# Altium PCB STM32_PLC.PcbDoc (part 2 of 3) (continued)
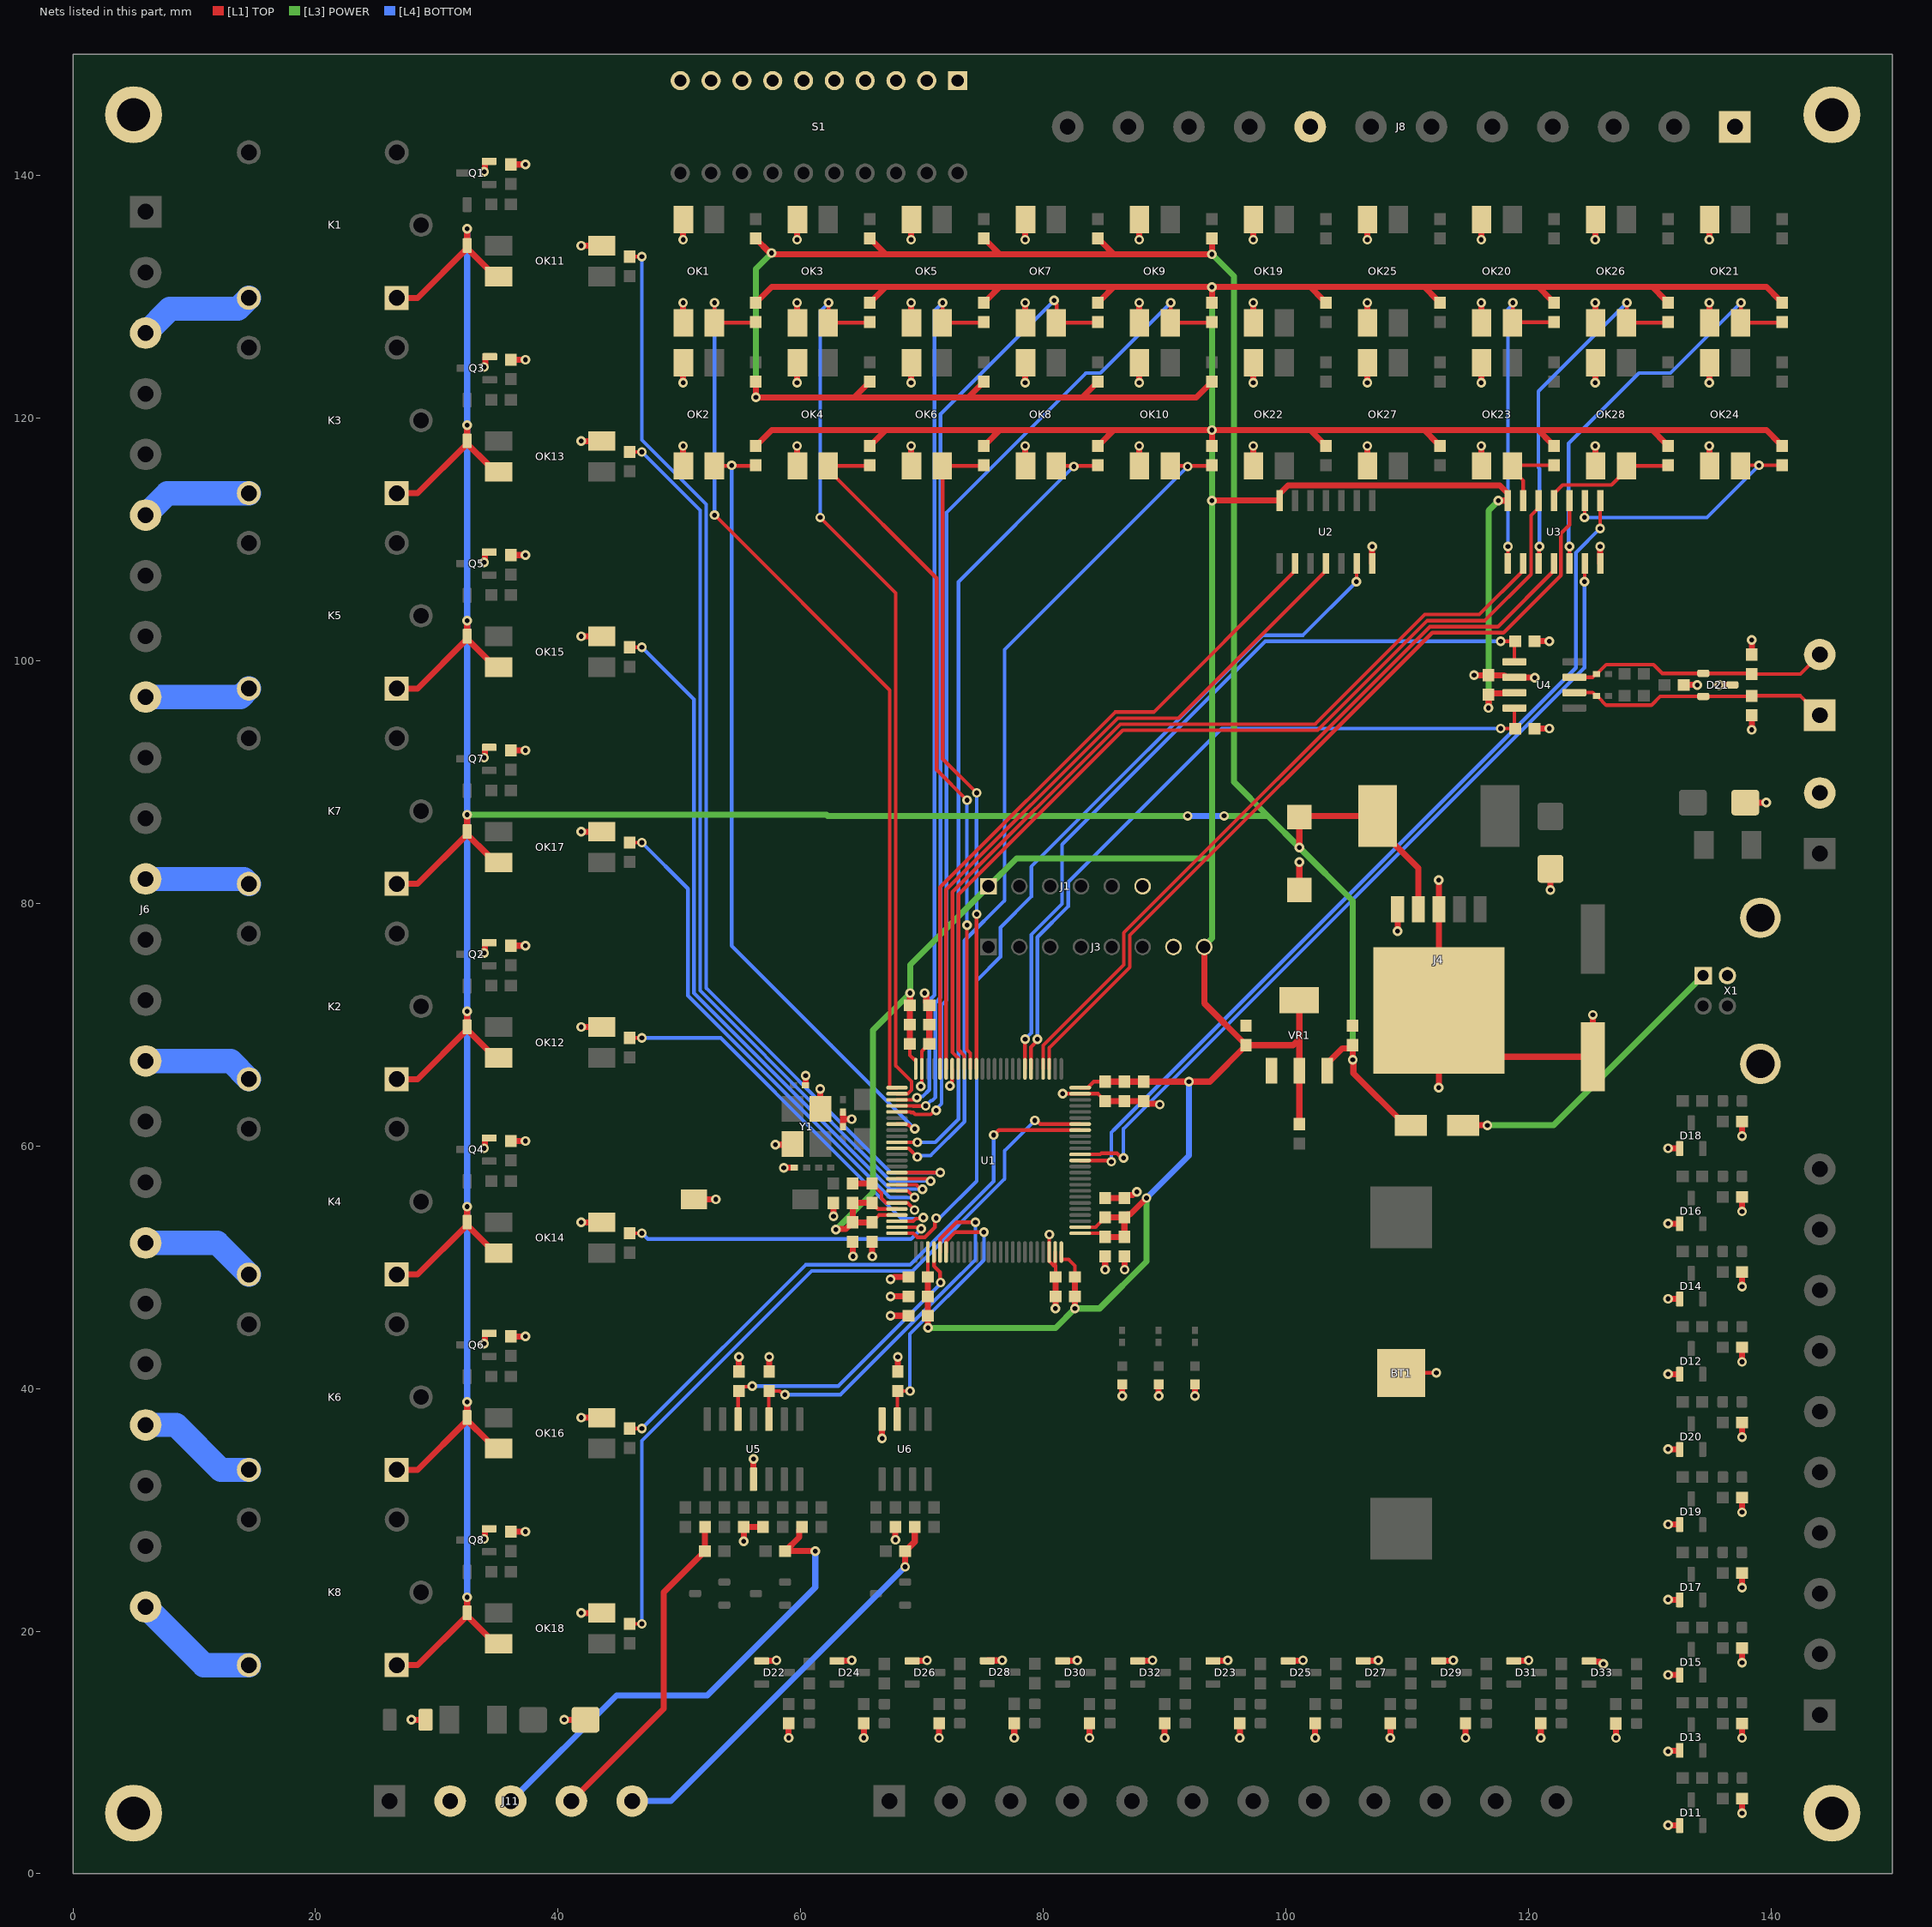
[diagram p4: the nets of this part, all layers, seen from the top]
## Part data (continued)
U2 U3: "Inverter IC 6 Channel Schmitt Trigger 14-SOIC", Package="SO14-14 Nexperia USA Inc.", Check_prices=https://www.snapeda.com/parts/74HC14D/Toshiba/view-part/?ref=eda, MF=Toshiba, MP=74HC14D, SnapEDA_Link=https://www.snapeda.com/parts/74HC14D/Toshiba/view-part/?ref=snap
U4: library part TCAN332DR, "3.3-V CAN Transceivers", Package="SOIC-8 Texas Instruments", Check_prices=https://www.snapeda.com/parts/TCAN332DR/Texas+Instruments/view-part/?ref=eda, MF="Texas Instruments", MP=TCAN332DR, SnapEDA_Link=https://www.snapeda.com/parts/TCAN332DR/Texas+Instruments/view-part/?ref=snap
VR1: "800-mA 15-V linear voltage regulator", Package="SOT-223-4 Texas Instruments", Check_prices=https://www.snapeda.com/parts/LM1117IMP-3.3/NOPB/Texas+Instruments/view-part/?ref=eda, MF="Texas Instruments", MP=LM1117IMP-3.3/NOPB, SnapEDA_Link=https://www.snapeda.com/parts/LM1117IMP-3.3/NOPB/Texas+Instruments/view-part/?ref=snap
X1: "USB-B (USB TYPE-B) - Receptacle Connector 4 Position Through Hole, Right Angle", Package=None, Availability="In Stock", Check_prices=https://www.snapeda.com/parts/USB-B1HSB6/On+Shore+Technology+Inc./view-part/?ref=eda, MF="On Shore", MP=USB-B1HSB6, Price=None, Purchase-URL=https://pricing.snapeda.com/search/part/USB-B1HSB6/?ref=eda, SnapEDA_Link=https://www.snapeda.com/parts/USB-B1HSB6/On+Shore+Technology+Inc./view-part/?ref=snap

## Via types
v1: diameter 0.8, hole 0.4, [L1] TOP to [L4] BOTTOM, 318 vias

## Nets (pads, with @x,y where several pads share a name; then routed paths per layer and width w, separated by ;. In a path a pad name is that pad's centre, name@x,y a point inside that pad or via, vN(x,y) a via of type N, cw(c..) or ccw(c..) an arc to the next point about the centre after c; other vN are vias at no path point)
+3.3V: C1.1 C2.1 C3.1 C4.1 C5.1 C6.1 C7.1 C8.1 C9.1 C11.1 C14.1 C15.1 C16.1 C17.1 C18.1 C19.1 C23.1 C24.1 C25.1 C26.1 C30.2 J1.01 J3.08 R1.1 R4.2 R6.2 R8.2 R10.2 R12.2 R14.2 R16.2 R18.2 R20.2 R22.2 R67.2 R68.2 R69.2 R73.2 R74.2 R75.2 R79.2 R80.2 R83.2 R84.2 U1.21 U1.22 U1.28 U1.50 U1.51 U1.52 U1.75 U1.100 U2.14 U3.14 U4.3 VR1.2 VR1.4 | length 472.3
  [L1] TOP w0.3: C18.1@65.88,53.725 66.455,54.3 U1.22@67.93,54.3 ; C23.1@65.88,55.275 66.355,54.8 U1.21@67.93,54.8 ; C7.1@69,68.4 69,67.475 69.375,67.1 69.48,67.1 U1.100@69.48,66.35 ; C1.1@70.48,49.2 U1.28@70.48,51.25 ; U1.50@81.48,51.25 81.48,50.645 82.08,50.645 82.6,50.125 C14.1@82.6,49.2 ; U1.51@83.03,52.8 84.78,52.8 C16.1@85.08,52.5 ; U1.52@83.03,53.3 84.305,53.3 85.08,54.075 C25.1@85.08,54.1 ; U1.75@83.03,64.8 83.78,64.8 83.78,64.925 84.155,65.3 C4.1@85.08,65.3
  [L1] TOP w0.5: R6.2@56.3,117.7 56.3,117.725 56.525,117.95 56.55,117.95 57.6,119 67,119 ; R4.2@56.3,129.5 56.3,129.525 56.525,129.75 56.55,129.75 57.6,130.8 67,130.8 ; v1(62.9,53.1) 62.957,53.157 63.737,53.157 64.03,53.45 64.055,53.45 64.28,53.675 C19.1@64.28,53.7 ; R10.2@65.7,117.7 65.7,117.725 65.925,117.95 65.95,117.95 67,119 ; R8.2@65.7,129.5 65.7,129.525 65.925,129.75 65.95,129.75 67,130.8 ; C18.1@65.88,53.7 C19.1@64.28,53.7 ; C23.1@65.88,55.3 C24.1@64.28,55.3 C19.1@64.28,53.7 ; C7.1@69,68.4 C8.1@69,70 C9.1@69,71.6 69.01,71.61 69.01,72.59 v1(69.02,72.6) ; C1.1@70.48,49.2 C2.1@70.48,47.6 C3.1@70.48,46 70.49,45.99 70.49,45.01 v1(70.5,45) ; R14.2@75.1,117.7 75.1,117.725 75.325,117.95 75.35,117.95 76.4,119 ; R12.2@75.1,129.5 75.1,129.525 75.325,129.75 75.35,129.75 76.4,130.8 ; v1(82.6,46.6) C15.1@82.6,47.6 C14.1@82.6,49.2 ; R18.2@84.5,117.7 84.5,117.725 84.725,117.95 84.75,117.95 85.8,119 ; R16.2@84.5,129.5 84.5,129.525 84.725,129.75 84.75,129.75 85.8,130.8 ; C16.1@85.08,52.5 C17.1@86.68,52.5 C26.1@86.68,54.1 ; C25.1@85.08,54.1 C26.1@86.68,54.1 ; C4.1@85.08,65.3 C5.1@86.68,65.3 C6.1@88.28,65.3 90.44,65.3 v1(92,65.3) 93.725,65.3 96.7,68.275 C11.1@96.7,68.3 ; v1(88.5,55.7) 87.15,54.35 86.905,54.35 86.68,54.125 C26.1@86.68,54.1 ; J3.08@93.26,76.4 93.26,71.765 96.7,68.325 C11.1@96.7,68.3 ; v1(93.9,113.2) 99.481,113.2 U2.14@99.49,113.191 99.49,113.775 100.157,114.442 117.623,114.442 118.29,113.775 U3.14@118.29,113.191 117.509,113.191 v1(117.5,113.2) ; R22.2@93.9,117.7 v1(93.9,119) ; R20.2@93.9,129.5 v1(93.9,130.8) ; R1.1@101.1,61.8 VR1.2@101.1,66.2 101.1,68.8 ; VR1.4@101.1,72 101.1,68.8 ; R73.2@103.3,117.7 102,119 ; R67.2@103.3,129.5 103.3,129.525 103.075,129.75 103.05,129.75 102,130.8 ; R83.2@112.7,117.7 112.7,117.725 112.475,117.95 112.45,117.95 111.4,119 ; R79.2@112.7,129.5 112.7,129.525 112.475,129.75 112.45,129.75 111.4,130.8 ; v1(116.7,96.1) C30.2@116.7,97.2 116.815,97.315 118.78,97.315 U4.3@118.83,97.365 ; R74.2@122.1,117.7 122.1,117.725 121.875,117.95 121.85,117.95 120.8,119 ; R68.2@122.1,129.5 122.1,129.525 121.875,129.75 121.85,129.75 120.8,130.8 ; R84.2@131.5,117.7 131.5,117.725 131.275,117.95 131.25,117.95 130.2,119 ; R80.2@131.5,129.5 131.5,129.525 131.275,129.75 131.25,129.75 130.2,130.8 ; R75.2@140.9,117.7 140.9,117.725 140.675,117.95 140.65,117.95 139.6,119 130.2,119 ; R69.2@140.9,129.5 140.9,129.525 140.675,129.75 140.65,129.75 139.6,130.8 130.2,130.8 ; 67,119 76.4,119 ; 67,130.8 76.4,130.8 ; 76.4,119 85.8,119 ; 76.4,130.8 85.8,130.8 ; 85.8,119 v1(93.9,119) ; 85.8,130.8 v1(93.9,130.8) ; v1(93.9,119) 102,119 ; v1(93.9,130.8) 102,130.8 ; C11.1@96.7,68.3 100.6,68.3 101.1,68.8 ; 102,119 111.4,119 ; 102,130.8 111.4,130.8 ; 111.4,119 120.8,119 ; 111.4,130.8 120.8,130.8 ; 120.8,119 130.2,119 ; 120.8,130.8 130.2,130.8
  [L3] POWER w0.5: v1(62.9,53.1) 65.96,56.16 65.96,69.54 v1(69.02,72.6) 69.02,74.94 J1.01@75.48,81.4 77.78,83.7 93.9,83.7 ; v1(70.5,45) 81,45 v1(82.6,46.6) 84.631,46.6 88.5,50.469 v1(88.5,55.7) ; J3.08@93.26,76.4 93.26,76.488 93.9,77.128 93.9,83.7 ; v1(93.9,130.8) v1(93.9,119) v1(93.9,113.2) 93.9,83.7 ; v1(116.7,96.1) 116.7,112.374 117.5,113.174 v1(117.5,113.2)
  [L4] BOTTOM w0.5: v1(88.5,55.7) 92,59.2 v1(92,65.3)
+5V: C10.1 C28.1 D3.C D4.C D5.C D6.C D7.C D8.C D9.C D10.C J2.P2 J4.4 K1.A1 K2.A1 K3.A1 K4.A1 K5.A1 K6.A1 K7.A1 K8.A1 L1.2 OK11.4 OK12.4 OK13.4 OK14.4 OK15.4 OK16.4 OK17.4 OK18.4 R3.2 R5.2 R7.2 R9.2 R11.2 R13.2 R15.2 R17.2 R19.2 R21.2 VR1.3 | length 482.3
  [L1] TOP w0.5: K8.A1@26.7,17.2 28.42,17.2 32.5,21.28 34.225,19.555 34.225,19.51 34.775,18.96 OK18.4@35.1,18.96 ; K6.A1@26.7,33.3 28.42,33.3 D8.C@32.5,37.38 ; K4.A1@26.7,49.4 28.42,49.4 32.5,53.48 34.225,51.755 34.225,51.71 34.775,51.16 OK14.4@35.1,51.16 ; K2.A1@26.7,65.5 28.42,65.5 D4.C@32.5,69.58 ; K7.A1@26.7,81.6 28.42,81.6 32.5,85.68 34.225,83.955 34.225,83.91 34.775,83.36 OK17.4@35.1,83.36 ; K5.A1@26.7,97.7 28.42,97.7 32.5,101.78 34.225,100.055 34.225,100.01 34.775,99.46 OK15.4@35.1,99.46 ; K3.A1@26.7,113.8 28.42,113.8 32.5,117.88 34.225,116.155 34.225,116.11 34.775,115.56 OK13.4@35.1,115.56 ; K1.A1@26.7,129.9 28.42,129.9 32.5,133.98 34.225,132.255 34.225,132.21 34.775,131.66 OK11.4@35.1,131.66 ; D10.C@32.5,21.52 v1(32.5,22.8) ; v1(32.5,38.9) D8.C@32.5,37.38 ; D6.C@32.5,53.72 v1(32.5,55) ; v1(32.5,71.1) D4.C@32.5,69.58 ; D9.C@32.5,85.92 v1(32.5,87.3) ; D7.C@32.5,102.02 v1(32.5,103.3) ; D5.C@32.5,118.12 v1(32.5,119.4) ; D3.C@32.5,134.22 v1(32.5,135.6) ; OK16.4@35.1,35.06 34.775,35.06 34.225,35.61 34.225,35.655 D8.C@32.5,37.38 ; OK12.4@35.1,67.26 34.775,67.26 34.225,67.81 34.225,67.855 D4.C@32.5,69.58 ; R5.2@56.3,123 v1(56.3,121.7) 64.4,121.7 ; R3.2@56.3,134.8 56.3,134.775 57.418,133.657 57.543,133.657 57.657,133.543 57.87,133.543 57.912,133.5 67,133.5 ; R9.2@65.7,123 65.7,122.975 65.475,122.75 65.45,122.75 64.4,121.7 ; R7.2@65.7,134.8 65.7,134.775 65.925,134.55 65.95,134.55 67,133.5 ; R13.2@75.1,123 75.1,122.975 74.875,122.75 74.85,122.75 73.8,121.7 ; R11.2@75.1,134.8 75.1,134.775 75.325,134.55 75.35,134.55 76.4,133.5 ; R17.2@84.5,123 84.5,122.975 84.275,122.75 84.25,122.75 83.2,121.7 ; R15.2@84.5,134.8 84.5,134.775 84.725,134.55 84.75,134.55 85.8,133.5 ; R21.2@93.9,123 93.9,122.975 93.675,122.75 93.65,122.75 92.6,121.7 83.2,121.7 ; R19.2@93.9,134.8 v1(93.9,133.5) 85.8,133.5 ; v1(101.1,84.6) C28.1@101.1,87.1 101.2,87.2 L1.2@107.55,87.2 107.55,86.25 110.899,82.901 J4.4@110.899,79.491 ; VR1.3@103.4,66.2 103.4,66.8 104.65,68.05 105.275,68.05 C10.1@105.5,68.275 ; C10.1@105.5,68.3 v1(105.5,67.1) 105.557,67.043 105.557,65.994 109.851,61.7 J2.P2@110.301,61.7 ; 64.4,121.7 73.8,121.7 ; 67,133.5 76.4,133.5 ; 73.8,121.7 83.2,121.7 ; 76.4,133.5 85.8,133.5
  [L3] POWER w0.5: v1(32.5,87.3) 62.121,87.3 62.221,87.2 v1(91.9,87.2) ; v1(56.3,121.7) 56.3,132.3 v1(57.6,133.6) ; v1(93.9,133.5) 95.7,131.7 95.7,90 98.5,87.2 ; v1(94.9,87.2) 98.5,87.2 ; v1(105.5,67.1) 105.5,80.2 v1(101.1,84.6) 98.65,87.05 98.5,87.2
  [L4] BOTTOM w0.5: v1(32.5,22.8) v1(32.5,55) v1(32.5,71.1) v1(32.5,87.3) v1(32.5,103.3) v1(32.5,119.4) v1(32.5,135.6) ; v1(91.9,87.2) v1(94.9,87.2)
+VBUS: J2.P1 X1.1 | length 24.9
  [L1] TOP w0.5: J2.P1@114.601,61.7 v1(116.6,61.7)
  [L3] POWER w0.5: v1(116.6,61.7) 122.06,61.7 X1.1@134.39,74.03
AO0: J11.3 R117.1 R122.2 | length 40.4
  [L1] TOP w0.5: R117.1@58.7,26.6 v1(61.2,26.6) ; R117.1@58.725,26.6 59.875,27.75 59.875,28.375 R122.2@60.1,28.6
  [L4] BOTTOM w0.5: J11.3@36.1,6 44.811,14.711 52.291,14.711 61.2,23.62 v1(61.2,26.6)
AO1: J11.4 R126.1 R129.2 | length 27.2
  [L1] TOP w0.5: J11.4@41.1,6 48.7,13.6 48.7,23.2 51.85,26.35 51.85,26.375 52.075,26.6 R126.1@52.1,26.6 R129.2@52.1,28.6
AO2: J11.5 R118.1 R124.2 | length 34.1
  [L1] TOP w0.5: v1(68.6,25.3) R118.1@68.6,26.6 ; R118.1@68.625,26.6 69.4,27.375 R124.2@69.4,28.6
  [L4] BOTTOM w0.5: J11.5@46.1,6 49.3,6 v1(68.6,25.3)
CAN_N: C34.1 D21.2 J9.1 R90.1 U4.6 | length 21.6
  [L1] TOP w0.3: U4.6@123.77,97.365 125.285,97.365 125.55,97.1 R90.1@125.6,97.1 ; R90.1@125.65,97.1 125.75,97 125.75,96.976 126.401,96.325 130.124,96.325 130.849,97.05 D21.2@134.4,97.05 138.35,97.05 C34.1@138.4,97.1 142.4,97.1 J9.1@144,95.5
CAN_P: C29.2 D21.1 J9.2 R87.2 U4.7 | length 21.6
  [L1] TOP w0.3: U4.7@123.77,98.635 125.285,98.635 125.55,98.9 R87.2@125.6,98.9 ; R87.2@125.65,98.9 125.75,99 125.75,99.024 126.401,99.675 130.3,99.675 131.025,98.95 D21.1@134.4,98.95 138.35,98.95 C29.2@138.4,98.9 142.4,98.9 J9.2@144,100.5
CAN_RX: C33.1 U1.81 U4.4 | length 60.5
  [L1] TOP w0.3: U1.81@78.98,66.35 78.98,68.145 79.5,68.665 v1(79.5,68.8) ; v1(117.7,94.4) C33.1@118.9,94.4 118.83,94.47 U4.4@118.83,96.095
  [L4] BOTTOM w0.3: v1@79.5,68.81 79.505,68.815 79.505,69.2 79.505,77.205 82.045,79.745 82.045,81.738 94.707,94.4 v1(117.7,94.4)
CAN_TX: C31.2 U1.82 U4.1 | length 65.8
  [L1] TOP w0.15: U4.1@118.83,99.905 U4.1@118.83,99.97
  [L1] TOP w0.3: U1.82@78.48,66.35 v1@78.48,68.78 ; v1(117.7,101.6) C31.2@118.9,101.6 118.83,101.53 U4.1@118.83,99.97
  [L4] BOTTOM w0.3: v1(78.5,68.8) 78.9,69.2 79.005,69.305 79.005,77.412 81.545,79.952 81.545,84.845 98.3,101.6 v1(117.7,101.6)
COM0: J6.3 K1.NC | length 9.7
  [L4] BOTTOM w2: J6.3@6,127 8,129 13.6,129 K1.NC@14.5,129.9
COM1: J6.6 K3.NC | length 9.2
  [L4] BOTTOM w2: J6.6@6,112 7.8,113.8 K3.NC@14.5,113.8
COM2: J6.9 K5.NC | length 8.8
  [L4] BOTTOM w2: J6.9@6,97 13.8,97 K5.NC@14.5,97.7
COM3: J6.12 K7.NC | length 8.7
  [L4] BOTTOM w2: J6.12@6,82 14.1,82 K7.NC@14.5,81.6
COM4: J6.15 K2.NC | length 9.1
  [L4] BOTTOM w2: J6.15@6,67 13,67 K2.NC@14.5,65.5
COM5: J6.18 K4.NC | length 9.6
  [L4] BOTTOM w2: J6.18@6,52 11.9,52 K4.NC@14.5,49.4
COM6: J6.21 K6.NC | length 10
  [L4] BOTTOM w2: J6.21@6,37 8.5,37 12.2,33.3 K6.NC@14.5,33.3
COM7: J6.24 K8.NC | length 10.5
  [L4] BOTTOM w2: J6.24@6,22 10.8,17.2 K8.NC@14.5,17.2
DAC1_OUT1: C36.1 U1.29 U5.5 | length 25.5
  [L1] TOP w0.3: U5.5@54.83,37.475 54.83,39.73 C36.1@54.9,39.8 54.9,39.825 55.225,40.15 55.95,40.15 v1(56,40.2) ; U1.29@70.98,51.25 70.98,50.099 71.48,49.599 71.48,48.795 v1(71.53,48.745)
  [L4] BOTTOM w0.3: v1(56,40.2) 63.1,40.2 71.3,48.4 71.53,48.63 v1(71.53,48.745)
DAC1_OUT2: C38.1 U1.30 U5.3 | length 31.7
  [L1] TOP w0.3: U5.3@57.37,37.475 57.37,39.77 C38.1@57.4,39.8 58.265,39.8 58.565,39.5 v1(58.7,39.5) ; U1.30@71.48,51.25 71.48,52.343 72.836,53.7 v1(74.4,53.7)
  [L4] BOTTOM w0.3: v1(58.7,39.5) 63.275,39.5 72.175,48.4 74.4,50.625 v1@74.4,53.686
DAC2_OUT1: C37.1 U1.31 U6.3 | length 23.3
  [L1] TOP w0.3: U6.3@67.965,37.475 67.965,39.765 C37.1@68,39.8 v1(69,39.8) ; U1.31@71.98,51.25 71.98,52.136 72.744,52.9 v1(75.1,52.9)
  [L4] BOTTOM w0.3: v1(69,39.8) 69,44.49 75.1,50.59 v1(75.1,52.9)
DI0: OK1.4 R4.1 U1.1 | length 76.4
  [L1] TOP w0.3: v1(52.9,112) 67.33,97.57 67.33,64.8 U1.1@67.93,64.8 ; v1(52.9,129.5) 52.9,127.88 OK1.4@52.87,127.85 56.25,127.85 R4.1@56.3,127.9
  [L4] BOTTOM w0.3: v1(52.9,112) v1(52.9,129.5)
DI1: OK3.4 R8.1 U1.2 | length 74.7
  [L1] TOP w0.3: v1(61.6,111.8) 67.83,105.57 67.83,66.614 69.13,65.314 69.13,64.614 68.816,64.3 U1.2@67.93,64.3 ; v1(62.3,129.5) 62.3,127.88 OK3.4@62.27,127.85 65.65,127.85 R8.1@65.7,127.9
  [L4] BOTTOM w0.3: v1(61.6,111.8) 61.6,128.8 v1(62.3,129.5)
DI2: OK5.4 R12.1 U1.3 | length 73.5
  [L1] TOP w0.3: U1.3@67.93,63.8 69.254,63.8 69.432,63.979 v1(69.568,63.979) ; v1(71.7,129.5) 71.7,127.88 OK5.4@71.67,127.85 75.05,127.85 R12.1@75.1,127.9
  [L4] BOTTOM w0.3: v1(69.568,63.979) 69.663,64.075 70.046,64.075 70.6,64.628 70.6,69.2 70.6,72.01 71.021,72.432 71.021,128.822 v1(71.7,129.5)
DI3: OK7.4 R16.1 U1.4 | length 78.6
  [L1] TOP w0.3: U1.4@67.93,63.3 69.257,63.3 69.278,63.279 70.279,63.279 v1(70.3,63.3) ; v1(80.894,129.694) 80.894,129.559 81.094,129.359 81.094,127.874 OK7.4@81.07,127.85 84.45,127.85 R16.1@84.5,127.9
  [L4] BOTTOM w0.3: v1(70.3,63.3) 70.308,63.3 70.726,63.718 70.819,63.718 71.1,64 71.1,69.2 71.1,71.803 71.521,72.224 71.521,120.321 v1(80.894,129.694)
DI4: OK9.4 R20.1 U1.5 | length 83.9
  [L1] TOP w0.3: U1.5@67.93,62.8 69.05,62.8 69.1,62.75 69.281,62.75 69.431,62.6 70.712,62.6 71.038,62.926 v1(71.173,62.926) ; v1(90.5,129.5) 90.5,127.88 OK9.4@90.47,127.85 93.85,127.85 R20.1@93.9,127.9
  [L4] BOTTOM w0.3: v1(71.173,62.926) 71.173,63.061 71.6,63.488 71.6,69.2 71.6,71.596 72.021,72.017 72.021,112.211 83.507,123.697 84.697,123.697 v1(90.5,129.5)
DI5: OK2.4 R6.1 U1.7 | length 66
  [L1] TOP w0.3: OK2.4@52.87,116.05 56.25,116.05 R6.1@56.3,116.1 ; U1.7@67.93,61.8 68.635,61.8 68.685,61.75 68.866,61.75 69.121,61.496 69.304,61.496 v1(69.4,61.4)
  [L4] BOTTOM w0.3: v1(54.3,116.1) 54.3,76.5 62.5,68.3 v1(69.4,61.4)
DI6: OK4.4 R10.1 U1.91 | length 58
  [L1] TOP w0.3: R10.1@65.7,116.1 65.65,116.05 OK4.4@62.27,116.05 62.27,115.725 71.2,106.795 71.2,91 v1(73.7,88.5) ; v1(73.7,78.2) 73.7,69.2 73.7,67.931 73.98,67.651 73.98,67.1 U1.91@73.98,66.35
  [L4] BOTTOM w0.3: v1(73.7,78.2) v1(73.7,88.5)
DI7: OK6.4 R14.1 U1.90 | length 54.3
  [L1] TOP w0.3: U1.90@74.48,66.35 74.48,79.08 v1(74.5,79.1) ; v1(74.5,89.1) 71.7,91.9 71.7,116.02 OK6.4@71.67,116.05 75.05,116.05 R14.1@75.1,116.1
  [L4] BOTTOM w0.3: v1(74.5,79.1) 74.5,80.586 74.495,80.591 74.495,87.427 74.5,87.432 v1(74.5,89.1)
DI8: OK8.4 R18.1 U1.10 | length 67
  [L1] TOP w0.3: U1.10@67.93,60.3 v1(69.6,60.3) ; OK8.4@81.07,116.05 84.45,116.05 R18.1@84.5,116.1
  [L4] BOTTOM w0.3: v1(69.6,60.3) 71.09,60.3 73,62.21 73,69.2 73,77.91 73,106.5 v1(82.5,116)
DI9: OK10.4 R22.1 U1.11 | length 72.1
  [L1] TOP w0.3: U1.11@67.93,59.8 68.9,59.8 v1(69.6,59.1) ; OK10.4@90.47,116.05 93.85,116.05 R22.1@93.9,116.1
  [L4] BOTTOM w0.3: v1(69.6,59.1) 69.696,59.196 70.021,59.196 70.026,59.2 70.697,59.2 73.5,62.003 73.5,69.2 73.5,76.921 76.8,80.221 76.8,100.9 v1(91.9,116)
DO0: R23.2 U1.15 | length 92.7
  [L1] TOP w0.3: R23.2@45.9,133.3 v1(46.9,133.3) ; U1.15@67.93,57.8 v1(71.5,57.8)
  [L4] BOTTOM w0.3: v1(46.9,133.3) 46.9,118.19 52.2,112.89 52.2,73.01 67.41,57.8 v1(71.5,57.8)
DO1: R29.2 U1.16 | length 75.8
  [L1] TOP w0.3: R29.2@45.9,117.2 v1(46.9,117.2) ; U1.16@67.93,57.3 70.375,57.3 70.575,57.1 v1(70.71,57.1)
  [L4] BOTTOM w0.3: v1(46.9,117.2) 51.7,112.4 51.7,72.803 62.5,62.003 67.373,57.13 70.68,57.13 v1(70.71,57.1)
DO2: R35.2 U1.17 | length 59.1
  [L1] TOP w0.3: R35.2@45.9,101.1 v1(46.9,101.1) ; U1.17@67.93,56.8 69.531,56.8 69.901,56.43 v1(70.036,56.43)
  [L4] BOTTOM w0.3: v1(46.9,101.1) 51.2,96.8 51.2,72.596 67.35,56.445 70.021,56.445 v1(70.036,56.43)
DO3: R41.2 U1.18 | length 42.4
  [L1] TOP w0.3: R41.2@45.9,85 v1(46.9,85) ; U1.18@67.93,56.3 68.816,56.3 69.371,55.745 v1(69.378,55.745)
  [L4] BOTTOM w0.3: v1(46.9,85) 50.7,81.2 50.7,72.389 67.343,55.745 v1(69.378,55.745)
DO4: R24.2 U1.23 | length 32.7
  [L1] TOP w0.3: R24.2@45.9,68.9 v1(46.9,68.9) ; U1.23@67.93,53.8 69.28,53.8 69.484,54.004 70.004,54.004 v1(70.1,54.1)
  [L4] BOTTOM w0.3: v1(46.9,68.9) 53.4,68.9 62.5,59.8 68.296,54.004 70.004,54.004 v1(70.1,54.1)
DO5: R30.2 U1.24 | length 26.6
  [L1] TOP w0.3: R30.2@45.9,52.8 v1(46.9,52.8) ; U1.24@67.93,53.3 69.658,53.3 69.792,53.166 v1(69.927,53.166)
  [L4] BOTTOM w0.3: v1(46.9,52.8) 46.926,52.8 47.402,52.324 62.5,52.324 69.085,52.324 v1(69.927,53.166)
DO6: R36.2 U1.68 | length 49.6
  [L1] TOP w0.3: R36.2@45.9,36.7 v1(46.9,36.7) ; v1(75.9,60.9) 75.926,60.9 76.326,61.3 U1.68@83.03,61.3
  [L4] BOTTOM w0.3: v1(46.9,36.7) 60.4,50.2 62.5,50.2 69.014,50.2 75.9,57.086 v1(75.9,60.9)
DO7: R42.2 U1.69 | length 64.6
  [L1] TOP w0.3: R42.2@45.9,20.6 v1(46.9,20.6) ; v1(79.3,62.1) 79.435,62.1 79.735,61.8 U1.69@83.03,61.8
  [L4] BOTTOM w0.3: v1(46.9,20.6) 46.9,35.7 60.9,49.7 62.5,49.7 69.221,49.7 76.802,57.281 76.802,59.602 v1(79.3,62.1)
E0+: U1.93 U3.2 | length 73.4
  [L1] TOP w0.3: U1.93@72.98,66.35 72.98,67.236 72.5,67.716 72.5,69.2 72.5,80.921 86.337,94.759 102.401,94.759 111.442,103.8 115.935,103.8 119.56,107.425 U3.2@119.56,108.009
E0-: U1.92 U3.12 | length 79
  [L1] TOP w0.3: U1.92@73.48,66.35 73.48,67.444 73,67.924 73,69.2 73,80.714 86.545,94.259 102.608,94.259 111.649,103.3 116.393,103.3 120.2,107.107 120.2,111.977 120.83,112.607 U3.12@120.83,113.191
E0_+: OK20.4 R68.1 U3.1 | length 26.8
  [L1] TOP w0.3: U3.1@118.29,108.009 118.295,108.014 118.295,109.395 v1(118.3,109.4) ; v1(118.7,129.5) 118.7,127.88 OK20.4@118.67,127.85 118.72,127.9 R68.1@122.1,127.9
  [L4] BOTTOM w0.3: v1(118.3,109.4) 118.3,128.979 118.7,129.379 v1(118.7,129.5)
E0_-: OK23.4 R74.1 U3.13 | length 6.7
  [L1] TOP w0.3: U3.13@119.56,113.191 119.56,114.835 118.67,115.725 OK23.4@118.67,116.05 118.72,116.1 R74.1@122.1,116.1
E1+: U1.79 U3.4 | length 62.4
  [L1] TOP w0.3: U1.79@79.98,66.35 79.98,68.29 86.625,74.935 86.625,77.568 111.857,102.8 117.475,102.8 122.1,107.425 U3.4@122.1,108.009
E1-: U1.78 U3.10 | length 68
  [L1] TOP w0.3: U1.78@80.48,66.35 80.48,68.083 87.125,74.728 87.125,77.361 112.064,102.3 117.933,102.3 122.667,107.034 122.667,110.482 123.37,111.185 U3.10@123.37,113.191
E1_+: OK26.4 R80.1 U3.3 | length 29.7
  [L1] TOP w0.3: U3.3@120.83,108.009 120.865,108.044 120.865,109.365 v1(120.9,109.4) ; v1(128.1,129.5) 128.1,127.88 OK26.4@128.07,127.85 131.45,127.85 R80.1@131.5,127.9
  [L4] BOTTOM w0.3: v1(120.9,109.4) 120.9,115.818 120.8,115.918 120.8,122.2 v1(128.1,129.5)
E1_-: OK28.4 R84.1 U3.11 | length 11.1
  [L1] TOP w0.3: U3.11@122.1,113.191 122.1,113.775 122.808,114.483 126.828,114.483 128.07,115.725 OK28.4@128.07,116.05 131.45,116.05 R84.1@131.5,116.1
E2+: U1.64 U3.6 | length 68.5
  [L1] TOP w0.3: U1.64@83.03,59.3 84.69,59.3 84.79,59.4 86.065,59.4 86.465,59 v1(86.6,59) ; v1(124.6,106.5) 124.62,106.52 124.62,107.989 U3.6@124.64,108.009
  [L4] BOTTOM w0.3: v1(86.6,59) 86.6,61.403 124.6,99.403 v1(124.6,106.5)
E2-: U1.63 U3.8 | length 73.8
  [L1] TOP w0.3: U1.63@83.03,58.8 85.365,58.8 85.465,58.7 v1(85.6,58.7) ; v1(125.9,110.9) 125.9,113.181 U3.8@125.91,113.191
  [L4] BOTTOM w0.3: v1(85.6,58.7) 85.6,61.11 85.9,61.41 123.9,99.41 123.9,108.9 v1(125.9,110.9)
E2_+: OK21.4 R69.1 U3.5 | length 34
  [L1] TOP w0.3: v1(123.367,109.4) 123.368,109.398 123.368,108.011 U3.5@123.37,108.009 ; v1(137.5,129.5) 137.5,127.88 OK21.4@137.47,127.85 140.85,127.85 R69.1@140.9,127.9
  [L4] BOTTOM w0.3: v1(123.367,109.4) 123.3,109.467 123.3,117.9 129.097,123.697 131.697,123.697 v1(137.5,129.5)
E2_-: OK24.4 R75.1 U3.9 | length 21
  [L1] TOP w0.3: v1(124.6,111.8) 124.62,111.82 124.62,113.171 U3.9@124.64,113.191 ; OK24.4@137.47,116.05 137.52,116.1 v1(139,116.1) R75.1@140.9,116.1
  [L4] BOTTOM w0.3: v1(124.6,111.8) 134.7,111.8 v1(139,116.1)
GND: BT1.N C1.2 C2.2 C3.2 C4.2 C5.2 C6.2 C7.2 C8.2 C9.2 C10.2 C11.2 C12.2 C13.2 C14.2 C15.2 C16.2 C17.2 C18.2 C19.2 C20.2 C21.2 C22.2 C23.2 C24.2 C25.2 C26.2 C27.2 C28.2 C29.1 C30.1 C31.1 C32.1 C33.2 C34.2 C35.2 C36.2 C37.2 C38.2 D1.A D2.A D11.1 D12.1 D13.1 D14.1 D15.1 D16.1 D17.1 D18.1 D19.1 D20.1 D21.3 D22.1 D23.1 D24.1 D25.1 D26.1 D27.1 D28.1 D29.1 D30.1 D31.1 D32.1 D33.1 D34.A DS1.2 DS2.2 DS3.2 H1.1 H2.1 H3.1 H4.1 J1.06 J3.07 J4.3 J4.5 J4.6 J5.2 J8.1 J8.8 J11.2 OK1.2 OK1.3 OK2.2 OK2.3 OK3.2 OK3.3 OK4.2 OK4.3 OK5.2 OK5.3 OK6.2 OK6.3 OK7.2 OK7.3 OK8.2 OK8.3 OK9.2 OK9.3 OK10.2 OK10.3 OK11.2 OK12.2 OK13.2 OK14.2 OK15.2 OK16.2 OK17.2 OK18.2 OK19.2 OK19.3 OK20.2 OK20.3 OK21.2 OK21.3 OK22.2 OK22.3 OK23.2 OK23.3 OK24.2 OK24.3 OK25.2 OK25.3 OK26.2 OK26.3 OK27.2 OK27.3 OK28.2 OK28.3 Q1.2 Q2.2 Q3.2 Q4.2 Q5.2 Q6.2 Q7.2 Q8.2 R27.2 R28.2 R33.2 R34.2 R39.2 R40.2 R45.2 R46.2 R49.1 R50.1 R53.1 R54.1 R57.1 R58.1 R61.1 R62.1 R64.1 R66.1 R93.1 R94.1 R97.1 R98.1 R101.1 R102.1 R105.1 R106.1 R109.1 R110.1 R113.1 R114.1 R119.1 R120.1 R127.1 RESET.1 S1.1A S1.2A S1.3A S1.4A S1.5A S1.6A S1.7A S1.8A S1.9A S1.10A U1.20 U1.48 U1.49 U1.74 U1.94 U1.99 U2.7 U3.7 U4.2 U5.11 U6.4 VR1.1 X1.4 X1.P1 X1.P2 Y1.2 Y1.4 | length 280.5
  [L1] TOP w0.3: C23.2@65.88,56.875 66.655,56.1 66.655,55.689 67.044,55.3 68.816,55.3 69.375,54.742 v1(69.375,54.713) ; v1(69.9,64.918) 69.98,64.998 69.98,67.805 70.575,68.4 C7.2@70.6,68.4 ; C9.2@70.6,71.6 C9.2@70.62,71.62 ; v1(72.3,64.949) 72.3,65.085 72.48,65.265 U1.94@72.48,66.35 ; v1(80.5,52.7) 80.48,52.68 80.48,50.5 80.855,50.125 81,50.125 ; U1.49@80.98,51.25 80.98,50.145 81,50.125 ; C14.2@81,49.2 81,50.125 ; v1(81.6,64.3) U1.74@83.03,64.3 84.505,64.3 85.08,63.725 C4.2@85.08,63.7 ; BT1.N@109.5,41.275 109.525,41.3 v1(112.4,41.3)
  [L1] TOP w0.5: v1(27.9,12.7) C35.2@29.075,12.7 ; v1(33.9,27.6) 33.957,27.657 33.957,28.4 34.007,28.45 Q8.2@34.32,28.45 ; v1(33.9,43.7) 33.957,43.757 33.957,44.5 34.007,44.55 Q6.2@34.32,44.55 ; v1(33.9,59.8) 33.957,59.857 33.957,60.6 34.007,60.65 Q4.2@34.32,60.65 ; v1(33.9,75.9) 33.957,75.957 33.957,76.7 34.007,76.75 Q2.2@34.32,76.75 ; v1(33.9,92) 33.957,92.057 33.957,92.8 34.007,92.85 Q7.2@34.32,92.85 ; v1(33.9,108.1) 33.957,108.157 33.957,108.9 34.007,108.95 Q5.2@34.32,108.95 ; v1(33.9,124.2) 33.9,124.281 33.995,124.376 33.995,125 34.045,125.05 Q3.2@34.36,125.05 ; v1(33.9,140.3) 33.957,140.357 33.957,141.1 34.007,141.15 Q1.2@34.32,141.15 ; R46.2@36.1,28.2 v1(37.3,28.2) ; R40.2@36.1,44.3 v1(37.3,44.3) ; R34.2@36.1,60.4 v1(37.3,60.4) ; R28.2@36.1,76.5 v1(37.3,76.5) ; R45.2@36.1,92.6 v1(37.3,92.6) ; R39.2@36.1,108.7 v1(37.3,108.7) ; R33.2@36.1,124.8 v1(37.3,124.8) ; R27.2@36.1,140.9 v1(37.3,140.9) ; v1(40.5,12.7) D34.A@42.26,12.7 ; v1(41.9,21.5) OK18.2@43.6,21.5 ; v1(41.9,37.6) OK16.2@43.6,37.6 ; v1(41.9,53.7) OK14.2@43.6,53.7 ; v1(41.9,69.8) OK12.2@43.6,69.8 ; v1(41.9,85.9) OK17.2@43.6,85.9 ; v1(41.9,102) OK15.2@43.6,102 ; v1(41.9,118.1) OK13.2@43.6,118.1 ; v1(41.9,134.2) OK11.2@43.6,134.2 ; v1(50.3,117.7) 50.3,116.08 OK2.3@50.33,116.05 ; v1(50.3,122.9) 50.3,124.52 OK2.2@50.33,124.55 ; v1(50.3,129.5) 50.3,127.88 OK1.3@50.33,127.85 ; v1(50.3,134.7) 50.3,136.32 OK1.2@50.33,136.35 ; RESET.1@51.2,55.6 v1(53,55.6) ; C36.2@54.9,41.4 v1(54.9,42.6) ; v1(55.3,27.4) R127.1@55.3,28.6 R119.1@56.9,28.6 ; U5.11@56.1,32.525 v1(56.1,34.2) ; D22.1@56.78,17.55 56.805,17.575 57.975,17.575 v1(58,17.6) ; C38.2@57.4,41.4 v1(57.4,42.6) ; v1(57.9,60.1) 59.28,60.1 Y1.2@59.33,60.15 ; v1(58.6,58.2) C21.2@59.48,58.2 ; v1(59,11.2) R93.1@59,12.4 ; v1(59.7,117.7) 59.7,116.08 OK4.3@59.73,116.05 ; v1(59.7,122.9) 59.7,124.52 OK4.2@59.73,124.55 ; v1(59.7,129.5) 59.7,127.88 OK3.3@59.73,127.85 ; v1(59.7,134.7) 59.7,136.32 OK3.2@59.73,136.35 ; C12.2@60.38,65 60.39,65 60.39,65.79 v1(60.4,65.8) ; v1(61.6,64.7) 61.6,63.08 Y1.4@61.63,63.05 ; C20.2@62.68,55.3 62.69,55.29 62.69,54.21 v1(62.7,54.2) ; D24.1@62.98,17.55 63.005,17.575 64.175,17.575 v1(64.2,17.6) ; C22.2@63.48,61.6 63.48,62.2 ; C13.2@63.48,62.8 63.48,62.2 ; v1(64.2,62.2) 63.48,62.2 ; C19.2@64.28,52.1 64.29,52.09 64.29,50.91 v1(64.3,50.9) ; C24.2@64.28,56.9 C23.2@65.88,56.9 ; v1(65.2,11.2) R97.1@65.2,12.4 ; C18.2@65.88,52.1 65.89,52.09 65.89,50.91 v1(65.9,50.9) ; U6.4@66.695,37.475 66.698,37.472 66.698,35.902 v1(66.7,35.9) ; v1(67.4,46) C3.2@68.88,46 ; v1(67.4,47.6) C2.2@68.88,47.6 ; v1(67.4,49) 67.481,49 67.681,49.2 C1.2@68.88,49.2 ; v1(67.8,27.536) R120.1@67.8,28.6 ; C37.2@68,41.4 v1(68,42.6) ; v1(69.1,117.7) 69.1,116.08 OK6.3@69.13,116.05 ; v1(69.1,122.9) 69.1,124.52 OK6.2@69.13,124.55 ; v1(69.1,129.5) 69.1,127.88 OK5.3@69.13,127.85 ; v1(69.1,134.7) 69.1,136.32 OK5.2@69.13,136.35 ; D26.1@69.18,17.55 69.205,17.575 70.375,17.575 v1(70.4,17.6) ; v1(70.2,72.6) 70.2,72.519 70.35,72.369 70.35,71.825 70.555,71.62 C9.2@70.62,71.62 ; C7.2@70.6,68.4 C8.2@70.6,70 C9.2@70.6,71.6 ; v1(71.4,11.2) R101.1@71.4,12.4 ; D28.1@75.381,17.563 75.399,17.582 76.582,17.582 v1(76.6,17.6) ; v1(77.6,11.2) R105.1@77.601,12.413 ; v1(78.5,117.7) 78.5,116.08 OK8.3@78.53,116.05 ; v1(78.5,122.9) 78.5,124.52 OK8.2@78.53,124.55 ; v1(78.5,129.5) 78.5,127.88 OK7.3@78.53,127.85 ; v1(78.5,134.7) 78.5,136.32 OK7.2@78.53,136.35 ; v1(81,46.6) C15.2@81,47.6 C14.2@81,49.2 ; D30.1@81.58,17.55 81.605,17.575 82.775,17.575 v1(82.8,17.6) ; v1(83.8,11.2) R109.1@83.8,12.4 ; C16.2@85.08,50.9 85.09,50.89 85.09,49.81 v1(85.1,49.8) ; C25.2@85.08,55.7 C26.2@86.68,55.7 86.68,55.725 86.905,55.95 87.359,55.95 87.614,56.205 v1(87.695,56.205) ; C4.2@85.08,63.7 C5.2@86.68,63.7 C6.2@88.28,63.7 88.28,63.689 88.505,63.464 89.536,63.464 v1(89.594,63.406) ; v1(86.5,39.4) DS1.2@86.5,40.35 ; C17.2@86.68,50.9 86.69,50.89 86.69,49.81 v1(86.7,49.8) ; D32.1@87.78,17.55 87.805,17.575 88.975,17.575 v1(89,17.6) ; v1(87.9,117.7) 87.9,116.08 OK10.3@87.93,116.05 ; v1(87.9,122.9) 87.9,124.52 OK10.2@87.93,124.55 ; v1(87.9,129.5) 87.9,127.88 OK9.3@87.93,127.85 ; v1(87.9,134.7) 87.9,136.32 OK9.2@87.93,136.35 ; v1(89.5,39.4) DS2.2@89.5,40.35 ; v1(90,11.2) R113.1@90,12.4 ; v1(92.5,39.4) DS3.2@92.5,40.35 ; D23.1@93.98,17.55 94.005,17.575 95.175,17.575 v1(95.2,17.6) ; v1(96.2,11.2) R94.1@96.2,12.4 ; v1(97.3,117.7) 97.3,116.08 OK22.3@97.33,116.05 ; v1(97.3,122.9) 97.3,124.52 OK22.2@97.33,124.55 ; v1(97.3,129.5) 97.3,127.88 OK19.3@97.33,127.85 ; v1(97.3,134.7) 97.3,136.32 OK19.2@97.33,136.35 ; D25.1@100.18,17.55 100.205,17.575 101.375,17.575 v1(101.4,17.6) ; C28.2@101.1,81.1 v1(101.1,83.4) ; v1(102.4,11.2) R98.1@102.4,12.4 ; D27.1@106.38,17.55 106.405,17.575 107.575,17.575 v1(107.6,17.6) ; v1(106.7,117.7) 106.7,116.08 OK27.3@106.73,116.05 ; v1(106.7,122.9) 106.7,124.52 OK27.2@106.73,124.55 ; v1(106.7,129.5) 106.7,127.88 OK25.3@106.73,127.85 ; v1(106.7,134.7) 106.7,136.32 OK25.2@106.73,136.35 ; v1(107.1,109.4) 107.105,109.395 107.105,108.014 U2.7@107.11,108.009 ; v1(108.6,11.2) R102.1@108.6,12.4 ; J4.5@109.197,79.491 109.198,79.49 109.198,77.702 v1(109.2,77.7) ; D29.1@112.58,17.55 112.605,17.575 113.775,17.575 v1(113.8,17.6) ; v1(112.6,64.8) J4.6@112.601,71.16 ; v1(112.6,81.9) 112.6,79.492 J4.6@112.601,71.16 116.411,67.35 C27.2@125.3,67.35 v1(125.3,70.8) ; v1(114.8,11.2) R106.1@114.8,12.4 ; v1(115.5,98.8) C30.1@116.7,98.8 117.98,98.8 118.145,98.635 U4.2@118.83,98.635 118.848,98.618 120.482,98.618 v1(120.5,98.6) ; v1(116.1,117.7) 116.1,116.08 OK23.3@116.13,116.05 ; v1(116.1,122.9) 116.1,124.52 OK23.2@116.13,124.55 ; v1(116.1,129.5) 116.1,127.88 OK20.3@116.13,127.85 ; v1(116.1,134.7) 116.1,136.32 OK20.2@116.13,136.35 ; D31.1@118.78,17.55 118.805,17.575 119.975,17.575 v1(120,17.6) ; C33.2@120.5,94.4 v1(121.7,94.4) ; C31.1@120.5,101.6 v1(121.7,101.6) ; v1(121,11.2) R110.1@121,12.4 ; v1(121.8,81.1) D2.A@121.8,82.84 ; D33.1@124.98,17.537 125.03,17.487 125.9,17.487 126.088,17.3 v1(126.169,17.3) ; v1(125.5,117.7) 125.5,116.08 OK28.3@125.53,116.05 ; v1(125.5,122.9) 125.5,124.52 OK28.2@125.53,124.55 ; v1(125.5,129.5) 125.5,127.88 OK26.3@125.53,127.85 ; v1(125.5,134.7) 125.5,136.32 OK26.2@125.53,136.35 ; v1(125.9,109.4) 125.905,109.395 125.905,108.014 U3.7@125.91,108.009 ; v1(127.2,11.2) R114.1@127.2,12.387 ; v1(131.5,4) 131.51,3.99 132.44,3.99 D11.1@132.45,3.98 ; v1(131.5,10.1) 131.54,10.14 132.41,10.14 D13.1@132.45,10.18 ; v1(131.5,16.4) 131.51,16.39 132.44,16.39 D15.1@132.45,16.38 ; v1(131.5,22.6) 131.51,22.59 132.44,22.59 D17.1@132.45,22.58 ; v1(131.5,28.8) 131.51,28.79 132.44,28.79 D19.1@132.45,28.78 ; v1(131.5,35) 131.51,34.99 132.44,34.99 D20.1@132.45,34.98 ; v1(131.5,41.2) 131.51,41.19 132.44,41.19 D12.1@132.45,41.18 ; v1(131.5,47.4) 131.51,47.39 132.44,47.39 D14.1@132.45,47.38 ; v1(131.5,53.6) 131.51,53.59 132.44,53.59 D16.1@132.45,53.58 ; v1(131.5,59.8) 131.51,59.79 132.44,59.79 D18.1@132.45,59.78 ; C32.1@132.8,98 v1(133.9,98) ; v1(134.9,117.7) 134.9,116.08 OK24.3@134.93,116.05 ; v1(134.9,122.9) 134.9,124.52 OK24.2@134.93,124.55 ; v1(134.9,129.5) 134.9,127.88 OK21.3@134.93,127.85 ; v1(134.9,134.7) 134.9,136.32 OK21.2@134.93,136.35 ; v1(135.7,98) D21.3@136.8,98 ; v1(137.6,5) R49.1@137.6,6.2 ; v1(137.6,11.2) R53.1@137.6,12.4 ; v1(137.6,17.4) R57.1@137.6,18.6 ; v1(137.6,23.6) R61.1@137.6,24.8 ; v1(137.6,29.8) R64.1@137.6,31 ; v1(137.6,36) R66.1@137.6,37.2 ; v1(137.6,42.2) R50.1@137.6,43.4 ; v1(137.6,48.4) R54.1@137.6,49.6 ; v1(137.6,54.6) R58.1@137.6,55.8 ; v1(137.6,60.8) R62.1@137.6,62 ; D1.A@137.86,88.3 v1(139.6,88.3) ; v1(138.4,94.3) C34.2@138.4,95.5 ; C29.1@138.4,100.5 v1(138.4,101.7)
IC0: U1.96 U2.2 | length 55.6
  [L1] TOP w0.3: U1.96@71.48,66.35 71.48,69.2 71.48,81.316 85.923,95.759 89.094,95.759 100.76,107.425 U2.2@100.76,108.009
IC1: U1.95 U2.4 | length 57.6
  [L1] TOP w0.3: U1.95@71.98,66.35 71.98,69.2 71.98,81.108 86.13,95.259 91.134,95.259 103.3,107.425 U2.4@103.3,108.009
IC2: U1.25 U2.6 | length 74.8
  [L1] TOP w0.3: U1.25@67.93,52.8 69.281,52.8 69.616,52.466 70.232,52.466 71.059,53.293 71.059,53.949 v1(71.155,54.045) ; v1(105.8,106.5) 105.82,106.52 105.82,107.989 U2.6@105.84,108.009
  [L4] BOTTOM w0.3: v1(71.155,54.045) 71.251,54.141 71.541,54.141 74.5,57.1 74.5,69.2 74.5,73.626 76.465,75.591 76.465,78.012 79.005,80.552 79.005,83.012 98.093,102.1 101.4,102.1 v1(105.8,106.5)